# KiCad board Intro-to-CAD-2026 Shaina and Paola.kicad_pcb (continued)
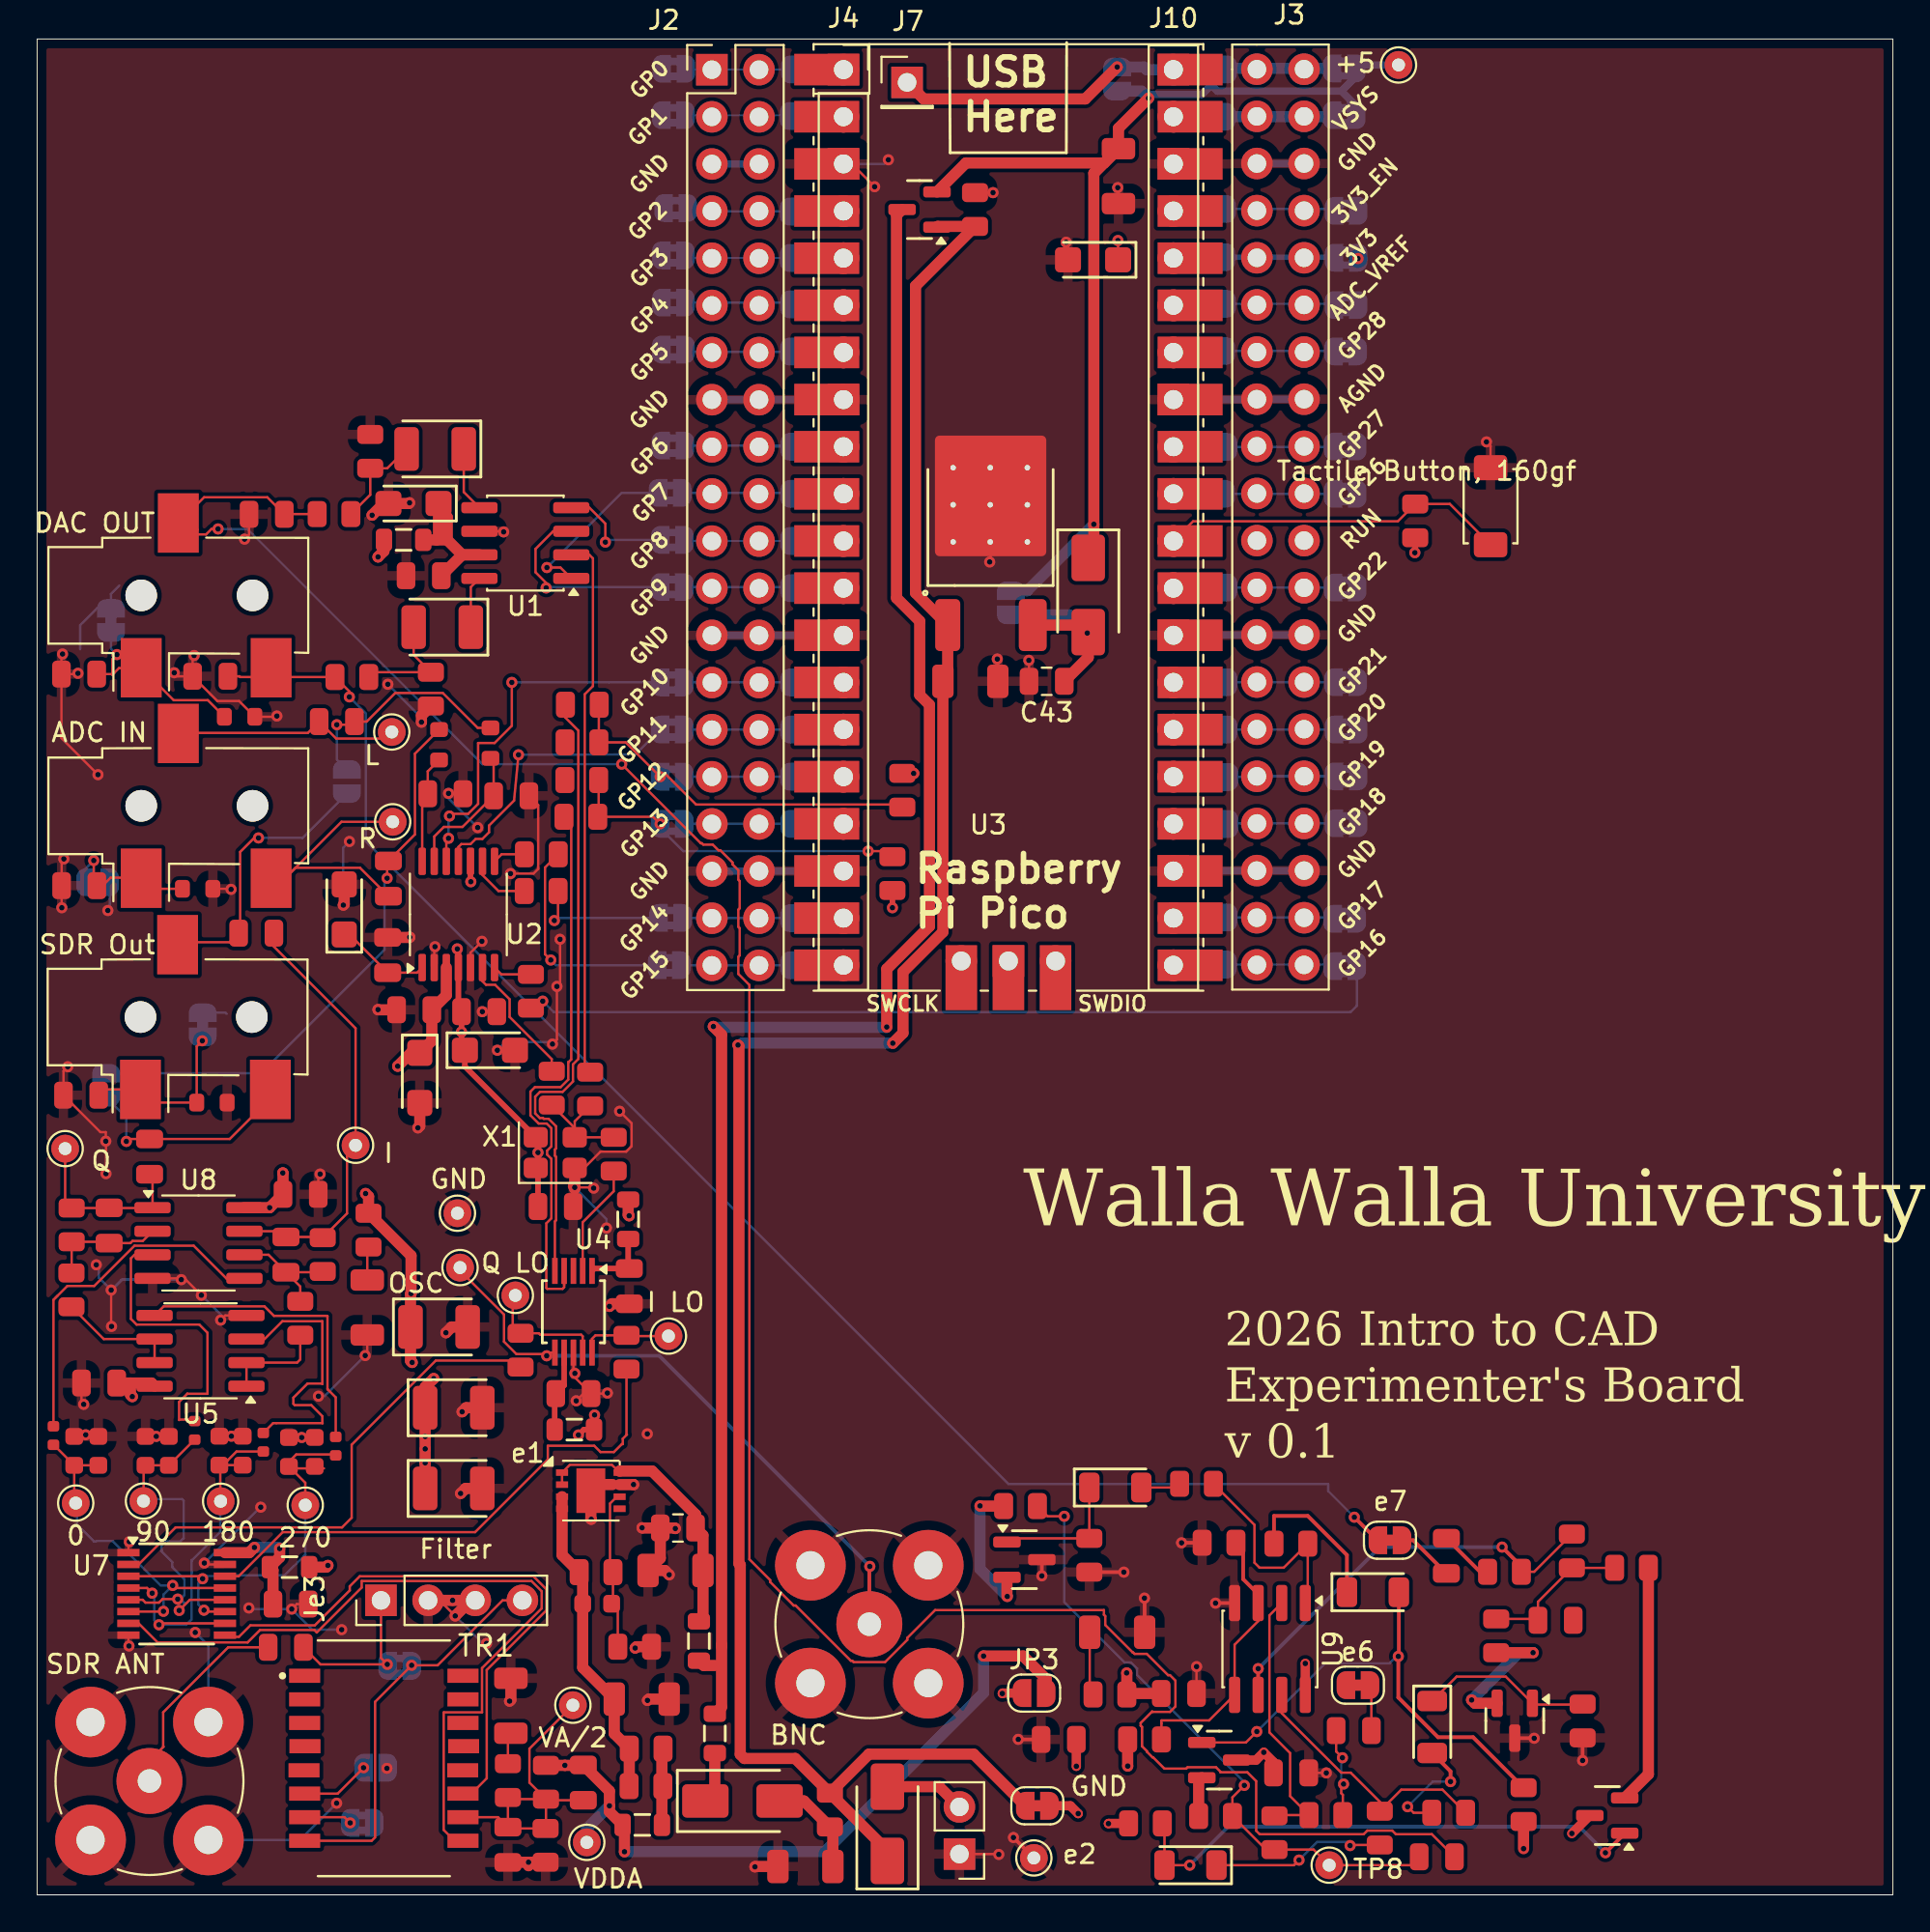
[diagram p0: board, top side]
## Library data of the parts
C1 C10-C13 C15 C20 C23 C30-C32 C38 C48 C50-C52 C56 C61 = -: Datasheet: https://www.lcsc.com/datasheet/lcsc_datasheet_2304140030_Samsung-Electro-Mechanics-CL21B104KCFNNNE_C28233.pdf; Description: 100V 100nF X7R ±10% 0805 Multilayer Ceramic Capacitors MLCC - SMD/SMT ROHS; LCSC: C28233; Stock: 1168020; Price: 0.009USD; Process: SMT; Minimum Qty: 20; Attrition Qty: 10; Class: Basic Component; Category: Capacitors,Multilayer Ceramic Capacitors MLCC - SMD/SMT; Manufacturer: Samsung Electro-Mechanics; Part: CL21B104KCFNNNE; Voltage Rated: 100V; Tolerance: ±10%; Temperature Coefficient: X7R; ki_fp_filters: C_*
C2 C5 C33-C35 C41 C42 C54 = -: Datasheet: https://www.lcsc.com/datasheet/lcsc_datasheet_2304140030_Samsung-Electro-Mechanics-CL31A106KBHNNNE_C13585.pdf; Description: 50V 10uF X5R ±10% 1206 Multilayer Ceramic Capacitors MLCC - SMD/SMT ROHS; LCSC: C13585; Stock: 3698334; Price: 0.035USD; Process: SMT; Minimum Qty: 5; Attrition Qty: 4; Class: Basic Component; Category: Capacitors,Multilayer Ceramic Capacitors MLCC - SMD/SMT; Manufacturer: Samsung Electro-Mechanics; Part: CL31A106KBHNNNE; Voltage Rated: 50V; Tolerance: ±10%; Temperature Coefficient: X5R; ki_fp_filters: C_*
C3 C4 C21 C29 = -: Datasheet: https://www.lcsc.com/datasheet/lcsc_datasheet_2304140030_Samsung-Electro-Mechanics-CL21B105KBFNNNE_C28323.pdf; Description: 50V 1uF X7R ±10% 0805 Multilayer Ceramic Capacitors MLCC - SMD/SMT ROHS; LCSC: C28323; Stock: 4334256; Price: 0.012USD; Process: SMT; Minimum Qty: 20; Attrition Qty: 10; Class: Basic Component; Category: Capacitors,Multilayer Ceramic Capacitors MLCC - SMD/SMT; Manufacturer: Samsung Electro-Mechanics; Part: CL21B105KBFNNNE; Voltage Rated: 50V; Tolerance: ±10%; Temperature Coefficient: X7R; ki_fp_filters: C_*
C6 C7 C49 C53 = -: Datasheet: https://www.lcsc.com/datasheet/lcsc_datasheet_2304140030_Samsung-Electro-Mechanics-CL21C222JBFNNNE_C28260.pdf; Description: 50V 2.2nF C0G ±5% 0805 Multilayer Ceramic Capacitors MLCC - SMD/SMT ROHS; LCSC: C28260; Stock: 107552; Price: 0.033USD; Process: SMT; Minimum Qty: 5; Attrition Qty: 4; Class: Basic Component; Category: Capacitors,Multilayer Ceramic Capacitors MLCC - SMD/SMT; Manufacturer: Samsung Electro-Mechanics; Part: CL21C222JBFNNNE; Voltage Rated: 50V; Tolerance: ±5%; Temperature Coefficient: C0G; ki_fp_filters: C_*
C8 C9 C39 C44 C45 = -: Datasheet: https://www.lcsc.com/datasheet/lcsc_datasheet_2304140030_Kyocera-AVX-TAJA106K016RNJ_C7171.pdf; Description: 10uF 16V 3Ω@100kHz ±10% CASE-A-3216-18(mm) Tantalum Capacitors ROHS; LCSC: C7171; Stock: 887054; Price: 0.133USD; Process: SMT; Minimum Qty: 5; Attrition Qty: 2; Class: Basic Component; Category: Capacitors,Tantalum Capacitors; Manufacturer: AVX; Part: TAJA106K016RNJ; Operating Temperature: -55°C~+125°C; Equivalent Series Resistance(ESR): 3Ω@100kHz; Tolerance: ±10%; Rated Voltage: 16V; ki_fp_filters: C_*
C14 C16 C19 C22 C24-C27 = -: Datasheet: 10nF 50V C0G ±5% 0603 Multilayer Ceramic Capacitors MLCC - SMD/SMT ROHS; Description: 50V 330pF C0G ±5% 0603 Multilayer Ceramic Capacitors MLCC - SMD/SMT ROHS; LCSC: C1664; Stock: 352516; Price: 0.010USD; Process: SMT; Minimum Qty: 1; Class: Basic Component; Category: C0CG; Voltage Rated: 50V; Tolerance: ±5%; Temperature Coefficient: C0G; ki_fp_filters: C_*
C17 C36 C37 C46 C47 = -: Datasheet: https://www.lcsc.com/datasheet/lcsc_datasheet_2111161030_Kyocera-AVX-TAJB107K006RNJ_C16133.pdf; Description: 100uF 6.3V 1.7Ω@100kHz ±10% CASE-B-3528-21(mm) Tantalum Capacitors ROHS; LCSC: C16133; Stock: 294947; Price: 0.161USD; Process: SMT; Minimum Qty: 5; Attrition Qty: 2; Class: Basic Component; Category: Capacitors,Tantalum Capacitors; Manufacturer: AVX; Part: TAJB107K006RNJ; Operating Temperature: -55°C~+125°C; Equivalent Series Resistance(ESR): 1.7Ω@100kHz; Tolerance: ±10%; Rated Voltage: 6.3V; ki_fp_filters: C_*
C18 C28 = -: Datasheet: https://www.lcsc.com/datasheet/lcsc_datasheet_2304140030_Samsung-Electro-Mechanics-CL21C101JBANNNC_C1790.pdf; Description: 50V 100pF C0G ±5% 0805 Multilayer Ceramic Capacitors MLCC - SMD/SMT ROHS; LCSC: C1790; Stock: 479585; Price: 0.011USD; Process: SMT; Minimum Qty: 20; Attrition Qty: 10; Class: Basic Component; Category: Capacitors,Multilayer Ceramic Capacitors MLCC - SMD/SMT; Manufacturer: Samsung Electro-Mechanics; Part: CL21C101JBANNNC; Voltage Rated: 50V; Tolerance: ±5%; Temperature Coefficient: C0G; ki_fp_filters: C_*
C40 = -: Datasheet: https://www.lcsc.com/datasheet/lcsc_datasheet_2304140030_FH--Guangdong-Fenghua-Advanced-Tech-0603CG4R7C500NT_C1669.pdf; Description: 50V 4.7pF C0G 0603 Multilayer Ceramic Capacitors MLCC - SMD/SMT ROHS; LCSC: C1669; Stock: 204968; Price: 0.006USD; Process: SMT; Minimum Qty: 20; Attrition Qty: 10; Class: Preferred Component; Category: Capacitors,Multilayer Ceramic Capacitors MLCC - SMD/SMT; Manufacturer: FH(Guangdong Fenghua Advanced Tech); Part: 0603CG4R7C500NT; Voltage Rated: 50V; Temperature Coefficient: C0G; ki_fp_filters: C_*
C43 C55 = -: Datasheet: https://datasheet.lcsc.com/lcsc/2304140030_YAGEO-CC0805KRX7R9BB104_C49678.pdf; LCSC: C49678; ki_fp_filters: C_*
C57-C60 C63 = -: Datasheet: https://www.lcsc.com/datasheet/lcsc_datasheet_2411041759_Murata-Electronics-GRM21BR61H106KE43L_C440198.pdf; Description: 50V 10uF X5R ±10% 0805 Multilayer Ceramic Capacitors MLCC - SMD/SMT ROHS; LCSC: C440198; Stock: 1422246; Price: 0.066USD; Process: SMT; Minimum Qty: 5; Attrition Qty: 4; Class: Basic Component; Category: Capacitors,Multilayer Ceramic Capacitors MLCC - SMD/SMT; Manufacturer: Murata Electronics; Part: GRM21BR61H106KE43L; Voltage Rated: 50V; Tolerance: ±10%; Temperature Coefficient: X5R; ki_fp_filters: C_*
D1-D3 = -: Datasheet: https://www.lcsc.com/datasheet/lcsc_datasheet_2407101109_MDD-Microdiode-Semiconductor-SS14_C2480.pdf; Description: 40V Independent Type 1A 550mV@1A SMA(DO-214AC) Schottky Diodes ROHS; LCSC: C2480; Stock: 1115112; Price: 0.018USD; Process: SMT; Minimum Qty: 5; Attrition Qty: 10; Class: Basic Component; Category: Diodes,Schottky Barrier Diodes (SBD); Manufacturer: MDD（Microdiode Electronics）; Rectified Current: 1A; Forward Voltage (Vf@If): 550mV@1A; Reverse Voltage (Vr): 40V; Diode Configuration: Independent Type; Reverse Leakage Current (Ir): 300uA@40V; ki_fp_filters: D_*
D4-D7 = -: Datasheet: https://www.lcsc.com/datasheet/lcsc_datasheet_2407101127_MDD-Microdiode-Semiconductor-SM4007PL_C64898.pdf; Description: 1A Independent Type 1kV 1.1V@1A SOD-123FL Diodes - General Purpose ROHS; LCSC: C64898; Stock: 1102945; Price: 0.009USD; Process: SMT; Minimum Qty: 20; Attrition Qty: 10; Class: Basic Component; Category: Diodes,Diodes - General Purpose; Manufacturer: MDD（Microdiode Electronics）; Rectified Current: 1A; Forward Voltage (Vf@If): 1.1V@1A; Reverse Voltage (Vr): 1kV; Diode Configuration: Independent Type; Reverse Leakage Current: 10uA@1kV; ki_fp_filters: D_*
e1 = -: Datasheet: https://jlcpcb.com/api/file/downloadByFileSystemAccessId/8590903048351141888; Description: 300mA, Low Noise,  Low Dropout Regulator, Positive, Adjustable, TSOT-23-5; LCSC: C5152847; ki_fp_filters: TSOT?23*
e2-e7 JP1 JP20-JP49 JP51-JP68 JP70-JP83 JP86 = -: Description: Jumper, 2-pole, closed/bridged; ki_fp_filters: Jumper* TestPoint*2Pads* TestPoint*Bridge*
FB1 FB4-FB7 = -: Datasheet: https://www.lcsc.com/datasheet/lcsc_datasheet_2310301640_Sunlord-GZ2012D101TF_C1015.pdf; Description: ±25% 100Ω@100MHz 0805 Ferrite Beads ROHS; LCSC: C1015; Stock: 196104; Price: 0.017USD; Process: SMT; Minimum Qty: 20; Attrition Qty: 10; Class: Basic Component; Category: Filters/EMI Optimization,Ferrite Beads; Manufacturer: Sunlord; Part: GZ2012D101TF; Impedance @ Frequency: 100Ω@100MHz; Circuits: 1; Current Rating: 800mA; Tolerance: ±25%; ki_fp_filters: FB_*
FB2 FB3 = -: Datasheet: https://www.lcsc.com/datasheet/lcsc_datasheet_2310301640_Sunlord-GZ2012D601TF_C1017.pdf; Description: 300mΩ ±25% 600Ω@100MHz 0805 Ferrite Beads ROHS; LCSC: C1017; Stock: 519189; Price: 0.016USD; Process: SMT; Minimum Qty: 20; Attrition Qty: 10; Class: Basic Component; Category: Filters/EMI Optimization,Ferrite Beads; Manufacturer: Sunlord; Part: GZ2012D601TF; DC Resistance: 300mΩ; Impedance @ Frequency: 600Ω@100MHz; Circuits: 1; Current Rating: 500mA; Tolerance: ±25%; ki_fp_filters: FB_*
J1 J9 J12 = -: Datasheet: https://www.lcsc.com/datasheet/lcsc_datasheet_1811132022_BOOMELE-Boom-Precision-Elec-PJ-320B_C18594.pdf; LCSC: C18594; ki_fp_filters: Jack*
J2 J3 = -: Datasheet: https://wmsc.lcsc.com/wmsc/upload/file/pdf/v2/lcsc/2203281730_ZHOURI-2-54-2-20_C2977589.pdf; Description: Generic connector, double row, 02x20, counter clockwise pin numbering scheme (similar to DIP package numbering), script generated (kicad-library-utils/schlib/autogen/connector/); LCSC: C2977589; ki_fp_filters: Connector*:*_2x??_*
J4 J10 = -: Description: Generic connector, single row, 01x20, script generated; LCSC: C2905423; ki_fp_filters: Connector*:*_1x??_*
J5 = -: Description: Generic connector, single row, 01x02, script generated (kicad-library-utils/schlib/autogen/connector/); ki_fp_filters: Connector*:*_1x??_*
J7 = -: Description: Generic connector, single row, 01x01, script generated; ki_fp_filters: Connector*:*_1x??_*
J8 J11 = -: ki_fp_filters: *BNC* *SMA* *SMB* *SMC* *Cinch* *LEMO*
Je3 = -: Datasheet: https://opencoursehub.cs.sfu.ca/bfraser/grav-cms/cmpt433/links/files/2022-student-howtos/RCWL-1601UltrasonicDistanceSensor.pdf; Description: Generic connector, single row, 01x04, script generated; LCSC: C2718488; ki_fp_filters: Connector*:*_1x??_*
JP2 JP3 JP18 JP19 JP50 JP88 = -: ki_fp_filters: Jumper* TestPoint*2Pads* TestPoint*Bridge*
Q1 = -: Datasheet: https://www.lcsc.com/datasheet/lcsc_datasheet_2412061733_Alpha---Omega-Semicon-AO3401A_C15127.pdf; Description: 30V 4A 44mΩ@10V,4.3A 1.4W 1.3V@250uA 1 Piece P-Channel SOT-23 MOSFETs ROHS; LCSC: C15127; Stock: 443240; Price: 0.061USD; Process: SMT; Minimum Qty: 5; Attrition Qty: 4; Class: Basic Component; Category: Transistors,MOSFETs; Manufacturer: Alpha & Omega Semicon; Continuous Drain Current (Id): 4A; Input Capacitance (Ciss@Vds): 1.2nF@15V; Operating Temperature: -55°C~+150°C@(Tj); Type: 1 Piece P-Channel; Drain Source Voltage (Vdss): 30V; Power Dissipation (Pd): 1.4W; Gate Threshold Voltage (Vgs(th)@Id): 1.3V@250uA; Drain Source On Resistance (RDS(on)@Vgs,Id): 44mΩ@10V,4.3A; Total Gate Charge (Qg@Vgs): 12.2nC@4.5V; ki_fp_filters: Q_*
Q2 Q5 = -: Datasheet: https://www.lcsc.com/datasheet/lcsc_datasheet_2408301021_hongjiacheng-FMMT591_C41375132.pdf; Description: 60V 250mW 300@500mA,5V 1A PNP SOT-23 Bipolar (BJT) ROHS; LCSC: C41375132; Stock: 27769; Price: 0.038USD; Process: SMT; Minimum Qty: 5; Attrition Qty: 4; Class: Preferred Component; Category: Transistors/Thyristors,Bipolar (BJT); Manufacturer: hongjiacheng; Transition Frequency (fT): 150MHz; Operating Temperature: -55°C~+155°C@(Tj); Transistor Type: PNP; DC Current Gain (hFE@Ic,Vce): 300@500mA,5V; Power Dissipation (Pd): 250mW; Collector Current (Ic): 1A; Collector-Emitter Saturation Voltage (VCE(sat)@Ic,Ib): 0.6V@1A,100mA; Collector-Emitter Breakdown Voltage (Vceo): 60V; ki_fp_filters: Q_*
Q3 Q4 = -: Datasheet: https://www.lcsc.com/datasheet/lcsc_datasheet_2408301021_hongjiacheng-FMMT491_C41375128.pdf; Description: 60V 250mW 300@500mA,5V 1A NPN SOT-23 Bipolar (BJT) ROHS; LCSC: C41375128; Stock: 3834; Price: 0.038USD; Process: SMT; Minimum Qty: 5; Attrition Qty: 4; Class: Preferred Component; Category: Transistors/Thyristors,Bipolar (BJT); Manufacturer: hongjiacheng; Transition Frequency (fT): 150MHz; Operating Temperature: -55°C~+155°C@(Tj); Transistor Type: NPN; DC Current Gain (hFE@Ic,Vce): 300@500mA,5V; Power Dissipation (Pd): 250mW; Collector Current (Ic): 1A; Collector-Emitter Saturation Voltage (VCE(sat)@Ic,Ib): 500mV@1A,100mA; Collector-Emitter Breakdown Voltage (Vceo): 60V; ki_fp_filters: Q_*
R1 R4 R12 R13 R31 R32 R45 R50 R51 = -: Datasheet: https://www.lcsc.com/datasheet/lcsc_datasheet_2411221126_UNI-ROYAL-Uniroyal-Elec-0805W8F1002T5E_C17414.pdf; Description: 125mW Thick Film Resistors 150V ±100ppm/°C ±1% 10kΩ 0805 Chip Resistor - Surface Mount ROHS; LCSC: C17414; Stock: 12301172; Price: 0.005USD; Process: SMT; Minimum Qty: 20; Attrition Qty: 10; Class: Basic Component; Category: Resistors,Chip Resistor - Surface Mount; Manufacturer: UNI-ROYAL(Uniroyal Elec); Part: 0805W8F1002T5E; Power(Watts): 125mW; Type: Thick Film Resistors; Overload Voltage (Max): 150V; Operating Temperature Range: -55°C~+155°C; Tolerance: ±1%; Temperature Coefficient: ±100ppm/°C; ki_fp_filters: R_*
R2 R3 = -: Datasheet: https://www.lcsc.com/datasheet/lcsc_datasheet_2206010116_UNI-ROYAL-Uniroyal-Elec-0603WAF4300T5E_C23170.pdf; Description: 100mW Thick Film Resistors 75V ±100ppm/°C ±1% 430Ω 0603 Chip Resistor - Surface Mount ROHS; LCSC: C23170; Stock: 231507; Price: 0.004USD; Process: SMT; Minimum Qty: 20; Attrition Qty: 10; Class: Preferred Component; Category: Resistors,Chip Resistor - Surface Mount; Manufacturer: UNI-ROYAL(Uniroyal Elec); Part: 0603WAF4300T5E; Power(Watts): 100mW; Type: Thick Film Resistors; Overload Voltage (Max): 75V; Operating Temperature Range: -55°C~+155°C; Tolerance: ±1%; Temperature Coefficient: ±100ppm/°C; ki_fp_filters: R_*
R5 = -: Datasheet: https://www.lcsc.com/datasheet/lcsc_datasheet_2205311830_UNI-ROYAL-Uniroyal-Elec-0805W8F3302T5E_C17633.pdf; Description: 125mW Thick Film Resistors 150V ±100ppm/°C ±1% 33kΩ 0805 Chip Resistor - Surface Mount ROHS; LCSC: C17633; Stock: 342884; Price: 0.005USD; Process: SMT; Minimum Qty: 20; Attrition Qty: 10; Class: Basic Component; Category: Resistors,Chip Resistor - Surface Mount; Manufacturer: UNI-ROYAL(Uniroyal Elec); Part: 0805W8F3302T5E; Power(Watts): 125mW; Type: Thick Film Resistors; Overload Voltage (Max): 150V; Operating Temperature Range: -55°C~+155°C; Tolerance: ±1%; Temperature Coefficient: ±100ppm/°C; ki_fp_filters: R_*
R6 = -: Datasheet: https://www.lcsc.com/datasheet/lcsc_datasheet_2206010216_UNI-ROYAL-Uniroyal-Elec-0805W8F1202T5E_C17444.pdf; Description: 125mW Thick Film Resistors 150V ±100ppm/°C ±1% 12kΩ 0805 Chip Resistor - Surface Mount ROHS; LCSC: C17444; Stock: 204708; Price: 0.005USD; Process: SMT; Minimum Qty: 20; Attrition Qty: 10; Class: Basic Component; Category: Resistors,Chip Resistor - Surface Mount; Manufacturer: UNI-ROYAL(Uniroyal Elec); Part: 0805W8F1202T5E; Power(Watts): 125mW; Type: Thick Film Resistors; Overload Voltage (Max): 150V; Operating Temperature Range: -55°C~+155°C; Tolerance: ±1%; Temperature Coefficient: ±100ppm/°C; ki_fp_filters: R_*
R7 R10 R11 R20 R21 R39-R41 R48 R49 = -: Datasheet: https://www.lcsc.com/datasheet/lcsc_datasheet_2205311845_UNI-ROYAL-Uniroyal-Elec-0805W8F100KT5E_C25271.pdf; Description: 125mW Thick Film Resistors 150V ±1% ±400ppm/°C 1Ω 0805 Chip Resistor - Surface Mount ROHS; LCSC: C25271; Stock: 413540; Price: 0.006USD; Process: SMT; Minimum Qty: 20; Attrition Qty: 10; Class: Basic Component; Category: Resistors,Chip Resistor - Surface Mount; Manufacturer: UNI-ROYAL(Uniroyal Elec); Part: 0805W8F100KT5E; Power(Watts): 125mW; Type: Thick Film Resistors; Overload Voltage (Max): 150V; Operating Temperature Range: -55°C~+155°C; Tolerance: ±1%; Temperature Coefficient: ±400ppm/°C; ki_fp_filters: R_*
R8 R9 = -: Datasheet: https://www.lcsc.com/datasheet/lcsc_datasheet_2206010200_UNI-ROYAL-Uniroyal-Elec-0805W8F470JT5E_C17714.pdf; Description: 125mW Thick Film Resistors 150V ±1% ±200ppm/°C 47Ω 0805 Chip Resistor - Surface Mount ROHS; LCSC: C17714; Stock: 284364; Price: 0.005USD; Process: SMT; Minimum Qty: 20; Attrition Qty: 10; Class: Basic Component; Category: Resistors,Chip Resistor - Surface Mount; Manufacturer: UNI-ROYAL(Uniroyal Elec); Part: 0805W8F470JT5E; Power(Watts): 125mW; Type: Thick Film Resistors; Overload Voltage (Max): 150V; Operating Temperature Range: -55°C~+155°C; Tolerance: ±1%; Temperature Coefficient: ±200ppm/°C; ki_fp_filters: R_*
R14 R19 R30 = -: Datasheet: https://www.lcsc.com/datasheet/lcsc_datasheet_2206010130_UNI-ROYAL-Uniroyal-Elec-0603WAF100JT5E_C22859.pdf; Description: 100mW Thick Film Resistors 75V ±1% ±400ppm/°C 10Ω 0603 Chip Resistor - Surface Mount ROHS; LCSC: C22859; Stock: 5764851; Price: 0.004USD; Process: SMT; Minimum Qty: 20; Attrition Qty: 10; Class: Basic Component; Category: Resistors,Chip Resistor - Surface Mount; Manufacturer: UNI-ROYAL(Uniroyal Elec); Part: 0603WAF100JT5E; Power(Watts): 100mW; Type: Thick Film Resistors; Overload Voltage (Max): 75V; Operating Temperature Range: -55°C~+155°C; Tolerance: ±1%; Temperature Coefficient: ±400ppm/°C; ki_fp_filters: R_*
R15 R23 = -: Datasheet: https://www.lcsc.com/datasheet/lcsc_datasheet_2206010200_UNI-ROYAL-Uniroyal-Elec-0805W8F4701T5E_C17673.pdf; Description: 125mW Thick Film Resistors 150V ±100ppm/°C ±1% 4.7kΩ 0805 Chip Resistor - Surface Mount ROHS; LCSC: C17673; Stock: 4733934; Price: 0.005USD; Process: SMT; Minimum Qty: 20; Attrition Qty: 6; Class: Basic Component; Category: Resistors,Chip Resistor - Surface Mount; Manufacturer: UNI-ROYAL(Uniroyal Elec); Part: 0805W8F4701T5E; Power(Watts): 125mW; Type: Thick Film Resistors; Overload Voltage (Max): 150V; Operating Temperature Range: -55°C~+155°C; Tolerance: ±1%; Temperature Coefficient: ±100ppm/°C; ki_fp_filters: R_*
R16-R18 R34-R38 = -: Datasheet: https://www.lcsc.com/datasheet/lcsc_datasheet_2205311830_UNI-ROYAL-Uniroyal-Elec-0805W8F330JT5E_C17634.pdf; Description: 125mW Thick Film Resistors 150V ±1% ±200ppm/°C 33Ω 0805 Chip Resistor - Surface Mount ROHS; LCSC: C17634; Stock: 335994; Price: 0.005USD; Process: SMT; Minimum Qty: 20; Attrition Qty: 10; Class: Basic Component; Category: Resistors,Chip Resistor - Surface Mount; Manufacturer: UNI-ROYAL(Uniroyal Elec); Part: 0805W8F330JT5E; Power(Watts): 125mW; Type: Thick Film Resistors; Overload Voltage (Max): 150V; Operating Temperature Range: -55°C~+155°C; Tolerance: ±1%; Temperature Coefficient: ±200ppm/°C; ki_fp_filters: R_*
R22 R33 = -: Datasheet: https://www.lcsc.com/datasheet/lcsc_datasheet_2206010030_UNI-ROYAL-Uniroyal-Elec-0805W8F5600T5E_C28636.pdf; Description: 125mW Thick Film Resistors 150V ±100ppm/°C ±1% 560Ω 0805 Chip Resistor - Surface Mount ROHS; LCSC: C28636; Stock: 185663; Price: 0.005USD; Process: SMT; Minimum Qty: 20; Attrition Qty: 10; Class: Basic Component; Category: Resistors,Chip Resistor - Surface Mount; Manufacturer: UNI-ROYAL(Uniroyal Elec); Part: 0805W8F5600T5E; Power(Watts): 125mW; Type: Thick Film Resistors; Overload Voltage (Max): 150V; Operating Temperature Range: -55°C~+155°C; Tolerance: ±1%; Temperature Coefficient: ±100ppm/°C; ki_fp_filters: R_*
R24-R27 = -: Datasheet: https://www.lcsc.com/datasheet/lcsc_datasheet_2411221126_UNI-ROYAL-Uniroyal-Elec-0805W8F1000T5E_C17408.pdf; Description: 125mW Thick Film Resistors 150V ±100ppm/°C ±1% 100Ω 0805 Chip Resistor - Surface Mount ROHS; LCSC: C17408; Stock: 3356429; Price: 0.005USD; Process: SMT; Minimum Qty: 20; Attrition Qty: 10; Class: Basic Component; Category: Resistors,Chip Resistor - Surface Mount; Manufacturer: UNI-ROYAL(Uniroyal Elec); Part: 0805W8F1000T5E; Power(Watts): 125mW; Type: Thick Film Resistors; Overload Voltage (Max): 150V; Operating Temperature Range: -55°C~+155°C; Tolerance: ±1%; Temperature Coefficient: ±100ppm/°C; ki_fp_filters: R_*
R28 = -: Datasheet: https://www.lcsc.com/datasheet/lcsc_datasheet_2205312316_UNI-ROYAL-Uniroyal-Elec-0805W8F1003T5E_C149504.pdf; Description: 125mW Thick Film Resistors 150V ±100ppm/°C ±1% 100kΩ 0805 Chip Resistor - Surface Mount ROHS; LCSC: C149504; Stock: 3946237; Price: 0.005USD; Process: SMT; Minimum Qty: 20; Attrition Qty: 10; Class: Basic Component; Category: Resistors,Chip Resistor - Surface Mount; Manufacturer: UNI-ROYAL(Uniroyal Elec); Part: 0805W8F1003T5E; Power(Watts): 125mW; Type: Thick Film Resistors; Overload Voltage (Max): 150V; Operating Temperature Range: -55°C~+155°C; Tolerance: ±1%; Temperature Coefficient: ±100ppm/°C; ki_fp_filters: R_*
R29 = -: Datasheet: https://www.lcsc.com/datasheet/lcsc_datasheet_2206010216_UNI-ROYAL-Uniroyal-Elec-0805W8F2002T5E_C4328.pdf; Description: 125mW Thick Film Resistors 150V ±100ppm/°C ±1% 20kΩ 0805 Chip Resistor - Surface Mount ROHS; LCSC: C4328; Stock: 1613783; Price: 0.005USD; Process: SMT; Minimum Qty: 20; Attrition Qty: 10; Class: Basic Component; Category: Resistors,Chip Resistor - Surface Mount; Manufacturer: UNI-ROYAL(Uniroyal Elec); Part: 0805W8F2002T5E; Power(Watts): 125mW; Type: Thick Film Resistors; Overload Voltage (Max): 150V; Operating Temperature Range: -55°C~+155°C; Tolerance: ±1%; Temperature Coefficient: ±100ppm/°C; ki_fp_filters: R_*
R42 R43 R46 R47 = -: Datasheet: https://www.lcsc.com/datasheet/lcsc_datasheet_2206010216_UNI-ROYAL-Uniroyal-Elec-0805W8F1501T5E_C4310.pdf; Description: 125mW Thick Film Resistors 150V ±100ppm/°C ±1% 1.5kΩ 0805 Chip Resistor - Surface Mount ROHS; LCSC: C4310; Stock: 447558; Price: 0.005USD; Process: SMT; Minimum Qty: 20; Attrition Qty: 10; Class: Basic Component; Category: Resistors,Chip Resistor - Surface Mount; Manufacturer: UNI-ROYAL(Uniroyal Elec); Part: 0805W8F1501T5E; Power(Watts): 125mW; Type: Thick Film Resistors; Overload Voltage (Max): 150V; Operating Temperature Range: -55°C~+155°C; Tolerance: ±1%; Temperature Coefficient: ±100ppm/°C; ki_fp_filters: R_*
R44 = -: Datasheet: https://www.lcsc.com/datasheet/lcsc_datasheet_2205311800_UNI-ROYAL-Uniroyal-Elec-0805W8F1001T5E_C17513.pdf; Description: 125mW Thick Film Resistors 150V ±100ppm/°C ±1% 1kΩ 0805 Chip Resistor - Surface Mount ROHS; LCSC: C17513; Stock: 7431283; Price: 0.005USD; Process: SMT; Minimum Qty: 20; Attrition Qty: 10; Class: Basic Component; Category: Resistors,Chip Resistor - Surface Mount; Manufacturer: UNI-ROYAL(Uniroyal Elec); Part: 0805W8F1001T5E; Power(Watts): 125mW; Type: Thick Film Resistors; Overload Voltage (Max): 150V; Operating Temperature Range: -55°C~+155°C; Tolerance: ±1%; Temperature Coefficient: ±100ppm/°C; ki_fp_filters: R_*
R52 R53 = -: Datasheet: https://www.lcsc.com/datasheet/lcsc_datasheet_2206010200_UNI-ROYAL-Uniroyal-Elec-0805W8F2201T5E_C17520.pdf; Description: 125mW Thick Film Resistors 150V ±100ppm/°C ±1% 2.2kΩ 0805 Chip Resistor - Surface Mount ROHS; LCSC: C17520; Stock: 1012630; Price: 0.005USD; Process: SMT; Minimum Qty: 20; Attrition Qty: 10; Class: Basic Component; Category: Resistors,Chip Resistor - Surface Mount; Manufacturer: UNI-ROYAL(Uniroyal Elec); Part: 0805W8F2201T5E; Power(Watts): 125mW; Type: Thick Film Resistors; Overload Voltage (Max): 150V; Operating Temperature Range: -55°C~+155°C; Tolerance: ±1%; Temperature Coefficient: ±100ppm/°C; ki_fp_filters: R_*
R54-R56 R62 = -: Datasheet: https://www.lcsc.com/datasheet/lcsc_datasheet_2206010200_UNI-ROYAL-Uniroyal-Elec-0805W8F270JT5E_C17594.pdf; Description: 125mW Thick Film Resistors 150V ±100ppm/°C ±1% 27Ω 0805 Chip Resistor - Surface Mount ROHS; LCSC: C17594; Stock: 157013; Price: 0.005USD; Process: SMT; Minimum Qty: 20; Attrition Qty: 10; Class: Preferred Component; Category: Resistors,Chip Resistor - Surface Mount; Manufacturer: UNI-ROYAL(Uniroyal Elec); Part: 0805W8F270JT5E; Power(Watts): 125mW; Type: Thick Film Resistors; Overload Voltage (Max): 150V; Operating Temperature Range: -55°C~+155°C; Tolerance: ±1%; Temperature Coefficient: ±100ppm/°C; ki_fp_filters: R_*
R58-R61 = -: Datasheet: https://www.lcsc.com/datasheet/lcsc_datasheet_2411221126_UNI-ROYAL-Uniroyal-Elec-0402WGF100JTCE_C25077.pdf; Description: 62.5mW Thick Film Resistors 50V ±1% ±200ppm/°C 10Ω 0402 Chip Resistor - Surface Mount ROHS; LCSC: C25077; Stock: 4873481; Price: 0.004USD; Process: SMT; Minimum Qty: 20; Attrition Qty: 10; Class: Basic Component; Category: Resistors,Chip Resistor - Surface Mount; Manufacturer: UNI-ROYAL(Uniroyal Elec); Part: 0402WGF100JTCE; Power(Watts): 62.5mW; Type: Thick Film Resistors; Overload Voltage (Max): 50V; Operating Temperature Range: -55°C~+155°C; Tolerance: ±1%; Temperature Coefficient: ±200ppm/°C; ki_fp_filters: R_*
S1 = -: Datasheet: https://www.lcsc.com/datasheet/lcsc_datasheet_2304140030_XUNPU-TS-1088-AR02016_C720477.pdf; Description: Without 50mA 4mm 100MΩ 100000 Times 12V 160gf 3mm 2mm Round Button Standing paste SPST SMD Tactile Switches ROHS; LCSC: C720477; Stock: 346801; Price: 0.044USD; Process: SMT; Minimum Qty: 5; Attrition Qty: 4; Class: Basic Component; Category: Switches,Tactile Switches; Manufacturer: XUNPU; Part: TS-1088-AR02016; Switch Length: 4mm; Voltage Rating (Dc): 12V; With Lamp: No; Operating Force: 160gf@±50gf; Actuator/Cap Color: Black; Mechanical Life: 100000 Times; Strike Gundam: NO; Circuit: SPST; Switch Height: 2mm; Actuator Style: Round Button; Switch Width: 3mm; Contact Current: 50mA; Operating Temperature: -30°C~+80°C; Mounting Style: Brick nogging; Insulation Resistance: 100MΩ; Pin Style: SMDSplicing
TP1-TP8 TP10-TP12 TP14 TP16-TP18 TP25 TP26 = -: ki_fp_filters: Pin* Test*
TR1 = -: Datasheet: https://jlcpcb.com/api/file/downloadByFileSystemAccessId/8590909348199538688; Description: Ethernet LAN 10/100 Base-Tx Transformer with Center Taps; LCSC: C20623173; ki_fp_filters: Transformer*Ethernet*Bourns*PT61017PEL*
U1 = -: Datasheet: https://jlcpcb.com/api/file/downloadByFileSystemAccessId/8604435438493057024; Description: CJC4334H Audio I2S Stereo DAC; LCSC: C41417670
U2 = -: Datasheet: https://www.ti.com/lit/ds/symlink/pcm1808.pdf?ts=1705856805393&ref_url=https%253A%252F%252Fwww.ti.com%252Fproduct%252FPCM1808%253FkeyMatch%253DPCM1808%2526tisearch%253Dsearch-everything%2526usecase%253DGPN-ALT; Description: 24-bit, 99-dB SNR, 96-kHz stereo ADC with single-ended inputs; MF: Texas Instruments; MAXIMUM_PACKAGE_HEIGHT: 1.2 mm; Package: TSSOP-14 Texas Instruments; Price: None; Check_prices: https://www.snapeda.com/parts/PCM1808PWR/Texas+Instruments/view-part/?ref=eda; STANDARD: IPC 7351B; PARTREV: B; SnapEDA_Link: https://www.snapeda.com/parts/PCM1808PWR/Texas+Instruments/view-part/?ref=snap; Purchase-URL: https://www.snapeda.com/api/url_track_click_mouser/?unipart_id=565040&manufacturer=Texas Instruments&part_name=PCM1808PWR&search_term=None; Availability: In Stock; MANUFACTURER: Texas Instruments; LCSC: C55513; JLC: Extended; JLCPCB Rotation Offset: -90
U3 = -: Datasheet: https://github.com/initdc/YD-RP2040/blob/master/YD-2040-2022-V1.1-SCH.pdf
U4 = -: Datasheet: https://datasheet.lcsc.com/lcsc/2012241239_Hangzhou-Ruimeng-Tech-MS5351M_C1509083.pdf; LCSC: C1509083; JLC: Extended; JLCPCB Rotation Offset: 270; ki_fp_filters: MSOP*3x3mm*P0.5mm*
U5 U8 U9 = -: Datasheet: http://www.ti.com/lit/ds/symlink/opa1612.pdf; Description: Dual SoundPlus High Performance, Bipolar-Input Audio Operational Amplifiers, SOIC-8; LCSC: C94590; JLC: Extended; JLCPCB Rotation Offset: -90; ki_fp_filters: SOIC*3.9x4.9mm*P1.27mm* DIP*W7.62mm* TO*99* OnSemi*Micro8* TSSOP*3x3mm*P0.65mm* TSSOP*4.4x3mm*P0.65mm* MSOP*3x3mm*P0.65mm* SSOP*3.9x4.9mm*P0.635mm* LFCSP*2x2mm*P0.5mm* *SIP* SOIC*5.3x6.2mm*P1.27mm*
U6 = -: Datasheet: https://www.lcsc.com/datasheet/lcsc_datasheet_2307281528_STMicroelectronics-L78M05ABDT-TR_C58069.pdf; Description: 62dB@(120Hz) 500mA Fixed 5V Positive electrode 35V TO-252-2(DPAK) Voltage Regulators - Linear, Low Drop Out (LDO) Regulators ROHS; LCSC: C58069; Stock: 162133; Price: 0.127USD; Process: SMT; Minimum Qty: 2; Attrition Qty: 0; Class: Basic Component; Category: Power Management ICs,Linear Voltage Regulators (LDO); Manufacturer: STMicroelectronics; Number Of Outputs: 1; Output Voltage: 5V; Quiescent Current (Ground Current): 6mA; Output Current: 500mA; Output Type: Fixed; Maximum Input Voltage: 35V; Output Polarity: Positive electrode; Operating Temperature: -40°C~+125°C; Power Supply Rejection Ratio (Psrr): 62dB@(120Hz); Feature: Overcurrent Protection(OCP);Thermal Protection(TSD);Short-Circuit  Protection; Standby Current: 6mA
U7 = -: Datasheet: https://jlcpcb.com/api/file/downloadByFileSystemAccessId/8588924046305714177; LCSC: C2674583; JLC: Extended; JLCPCB Rotation Offset: 0; ki_fp_filters: SOIC*3.9x9.9mm*P1.27mm* TSSOP*4.4x5mm*P0.65mm* SSOP*5.3x6.2mm*P0.65mm*
X1 = -: Datasheet: https://www.lcsc.com/datasheet/C52204799.pdf; Description: 3.3V CMOS SMD Crystal Clock Oscillator, YC; LCSC: C52204801; ki_fp_filters: Oscillator*SMD*Abracon*ASE*3.2x2.5mm*

## Footprints (pads in the part's own frame, mm; a bottom-side part is the same pattern mirrored in y, then rotated)
BNC_TEConnectivity_1478204_Vertical
  round 3.556 hole 1.27: 1(0,0)
  round 3.81 hole 1.524: 2(-3.175,3.175) 2(-3.175,-3.175) 2(3.175,3.175) 2(3.175,-3.175)
C_0603
  rrect 0.9x0.95 smd: 1(-0.78,0) 2(0.78,0)
C_0805
  rrect 1x1.45 smd: 1(-0.95,0) 2(0.95,0)
C_0805_2012Metric
  rrect 1x1.45 smd: 1(-0.95,0) 2(0.95,0)
C_1206
  rrect 1.15x1.8 smd: 1(-1.48,0) 2(1.48,0)
C_CASE-A-3216-18(mm)
  rrect 1.4x1.35 smd: 1(-1.35,0) 2(1.35,0)
C_CASE-B-3528-21(mm)
  rrect 1.32x2.35 smd: 1(-1.54,0) 2(1.54,0)
D_SMA
  rrect 2.5x1.8 smd: 1(-2,0) 2(2,0)
D_SOD-123FL
  rrect 1.1x1.6 smd: 1(-1.4,0) 2(1.4,0)
DFN-8-1EP_3x3mm_P0.65mm_EP1.55x2.4mm
  rect 0.6x1 smd: (-0.388,0.6) (-0.388,-0.6) (0.388,0.6) (0.388,-0.6)
  rect 0.65x0.35 smd: 1(-1.55,0.975) 2(-1.55,0.325) 3(-1.55,-0.325) 4(-1.55,-0.975) 5(1.55,-0.975) 6(1.55,-0.325) 7(1.55,0.325) 8(1.55,0.975)
  rect 1.55x2.4 smd: 9(0,0)
FB_0805
  rrect 0.88x1.2 smd: 1(-1.06,0) 2(1.06,0)
Jack_3.5mm_CUI_SJ-3523-SMT_Horizontal
  round 1.7 hole 1.7 unplated: (0,4) (0,-2)
  rect 3.2x2.2 smd: R(3.9,2) S(-3.9,4) T(-3.9,-3)
MSOP-10_3x3mm_P0.5mm
  rect 1.4x0.3 smd: 1(-2.2,1) 2(-2.2,0.5) 3(-2.2,0) 4(-2.2,-0.5) 5(-2.2,-1) 6(2.2,-1) 7(2.2,-0.5) 8(2.2,0) 9(2.2,0.5) 10(2.2,1)
Oscillator_SMD_Abracon_ASE-4Pin_3.2x2.5mm
  rrect 1.3x1.1 smd: 1(-1.05,-0.825) 2(1.05,-0.825) 3(1.05,0.825) 4(-1.05,0.825)
PinHeader_1x01_P2.54mm_Vertical
  rect 1.7x1.7 hole 1: 1(0,0)
PinHeader_1x02_P2.54mm_Vertical
  rect 1.7x1.7 hole 1: 1(0,0)
  oval 1.7x1.7 hole 1: 2(0,-2.54)
PinHeader_1x04_P2.54mm_Vertical
  rect 1.7x1.7 hole 1: 1(0,0)
  oval 1.7x1.7 hole 1: 2(0,-2.54) 3(0,-5.08) 4(0,-7.62)
PinSocket_1x20_P2.54mm_Vertical
  rect 1.7x1.7 hole 1: 1(0,0)
  round 1.7 hole 1: 2(0,-2.54) 3(0,-5.08) 4(0,-7.62) 5(0,-10.16) 6(0,-12.7) 7(0,-15.24) 8(0,-17.78) 9(0,-20.32) 10(0,-22.86) 11(0,-25.4) 12(0,-27.94) 13(0,-30.48) 14(0,-33.02) 15(0,-35.56) 16(0,-38.1) 17(0,-40.64) 18(0,-43.18) 19(0,-45.72) 20(0,-48.26)
PinSocket_1x20_P2.54mm_Vertical-pins21-40
  round 1.7 hole 1: 21(0,-48.26) 22(0,-45.72) 23(0,-43.18) 24(0,-40.64) 25(0,-38.1) 26(0,-35.56) 27(0,-33.02) 28(0,-30.48) 29(0,-27.94) 30(0,-25.4) 31(0,-22.86) 32(0,-20.32) 33(0,-17.78) 34(0,-15.24) 35(0,-12.7) 36(0,-10.16) 37(0,-7.62) 38(0,-5.08) 39(0,-2.54)
  rect 1.7x1.7 hole 1: 40(0,0)
PinSocket_2x20_P2.54mm_Vertical_Counterclockwise_pins21-40
  oval 1.7x1.7 hole 1: 21(-3.38,-48.26) 21(-0.84,-48.26) 22(-3.38,-45.72) 22(-0.84,-45.72) 23(-3.38,-43.18) 23(-0.84,-43.18) 24(-3.38,-40.64) 24(-0.84,-40.64) 25(-3.38,-38.1) 25(-0.84,-38.1) 26(-3.38,-35.56) 26(-0.84,-35.56) 27(-3.38,-33.02) 27(-0.84,-33.02) 28(-3.38,-30.48) 28(-0.84,-30.48) 29(-3.38,-27.94) 29(-0.84,-27.94) 30(-3.38,-25.4) 30(-0.84,-25.4) 31(-3.38,-22.86) 31(-0.84,-22.86) 32(-3.38,-20.32) 32(-0.84,-20.32) 33(-3.38,-17.78) 33(-0.84,-17.78) 34(-3.38,-15.24) 34(-0.84,-15.24) 35(-3.38,-12.7) 35(-0.84,-12.7) 36(-3.38,-10.16) 36(-0.84,-10.16) 37(-3.38,-7.62) 37(-0.84,-7.62) 38(-3.38,-5.08) 38(-0.84,-5.08) 39(-3.38,-2.54) 39(-0.84,-2.54) 40(-0.84,0)
  round 1.7 hole 1: 40(-3.38,0)
PinSocket_2x20_P2.54mm_Vertical_pins1-20
  rect 1.7x1.7 hole 1: 1(-3.38,0)
  oval 1.7x1.7 hole 1: 1(-0.84,0) 2(-3.38,-2.54) 2(-0.84,-2.54) 3(-3.38,-5.08) 3(-0.84,-5.08) 4(-3.38,-7.62) 4(-0.84,-7.62) 5(-3.38,-10.16) 5(-0.84,-10.16) 6(-3.38,-12.7) 6(-0.84,-12.7) 7(-3.38,-15.24) 7(-0.84,-15.24) 8(-3.38,-17.78) 8(-0.84,-17.78) 9(-3.38,-20.32) 9(-0.84,-20.32) 10(-3.38,-22.86) 10(-0.84,-22.86) 11(-3.38,-25.4) 11(-0.84,-25.4) 12(-3.38,-27.94) 12(-0.84,-27.94) 13(-3.38,-30.48) 13(-0.84,-30.48) 14(-3.38,-33.02) 14(-0.84,-33.02) 15(-3.38,-35.56) 15(-0.84,-35.56) 16(-3.38,-38.1) 16(-0.84,-38.1) 17(-3.38,-40.64) 17(-0.84,-40.64) 18(-3.38,-43.18) 18(-0.84,-43.18) 19(-3.38,-45.72) 19(-0.84,-45.72) 20(-3.38,-48.26) 20(-0.84,-48.26)
Q_SOT-23
  rrect 1.48x0.6 smd: 1(-0.94,0.95) 2(-0.94,-0.95) 3(0.94,0)
R_0402
  rrect 0.56x0.62 smd: 1(-0.5,0) 2(0.5,0)
R_0603
  rrect 0.8x0.95 smd: 1(-0.82,0) 2(0.82,0)
R_0805
  rrect 1.02x1.4 smd: 1(-0.91,0) 2(0.91,0)
RPi_Pico_SMD_TH
  oval 1.7x1.7 hole 1.02: 1(-8.89,24.13) 2(-8.89,21.59) 4(-8.89,16.51) 5(-8.89,13.97) 6(-8.89,11.43) 7(-8.89,8.89) 9(-8.89,3.81) 10(-8.89,1.27) 11(-8.89,-1.27) 12(-8.89,-3.81) 14(-8.89,-8.89) 15(-8.89,-11.43) 16(-8.89,-13.97) 17(-8.89,-16.51) 19(-8.89,-21.59) 20(-8.89,-24.13) 21(8.89,-24.13) 22(8.89,-21.59) 24(8.89,-16.51) 25(8.89,-13.97) 26(8.89,-11.43) 27(8.89,-8.89) 29(8.89,-3.81) 30(8.89,-1.27) 31(8.89,1.27) 32(8.89,3.81) 34(8.89,8.89) 35(8.89,11.43) 36(8.89,13.97) 37(8.89,16.51) 39(8.89,21.59) 40(8.89,24.13) 41(-2.54,-23.9) 43(2.54,-23.9)
  rect 3.5x1.7 smd: 1(-8.89,24.13) 2(-8.89,21.59) 3(-8.89,19.05) 4(-8.89,16.51) 5(-8.89,13.97) 6(-8.89,11.43) 7(-8.89,8.89) 8(-8.89,6.35) 9(-8.89,3.81) 10(-8.89,1.27) 11(-8.89,-1.27) 12(-8.89,-3.81) 13(-8.89,-6.35) 14(-8.89,-8.89) 15(-8.89,-11.43) 16(-8.89,-13.97) 17(-8.89,-16.51) 18(-8.89,-19.05) 19(-8.89,-21.59) 20(-8.89,-24.13) 21(8.89,-24.13) 22(8.89,-21.59) 23(8.89,-19.05) 24(8.89,-16.51) 25(8.89,-13.97) 26(8.89,-11.43) 27(8.89,-8.89) 28(8.89,-6.35) 29(8.89,-3.81) 30(8.89,-1.27) 31(8.89,1.27) 32(8.89,3.81) 33(8.89,6.35) 34(8.89,8.89) 35(8.89,11.43) 36(8.89,13.97) 37(8.89,16.51) 38(8.89,19.05) 39(8.89,21.59) 40(8.89,24.13)
  rect 1.7x1.7 hole 1.02: 3(-8.89,19.05) 8(-8.89,6.35) 13(-8.89,-6.35) 18(-8.89,-19.05) 23(8.89,-19.05) 28(8.89,-6.35) 33(8.89,6.35) 38(8.89,19.05) 42(0,-23.9)
  rect 1.7x3.5 smd: 41(-2.54,-23.9) 42(0,-23.9) 43(2.54,-23.9)
